# Altium PCB SensorControl_Board_v3.1.PcbDoc (part 1 of 2)
Units mm, origin at the board's own origin, x right, y up, seen from the top; angles counter-clockwise.
Board outline 75 x 62 mm, 4 copper layers (TOP, GND, PWR, BOT), stack 1.483 mm thick; 109 components, 86 nets, 400 pads, 254 vias.
Unrouted connection lines stored in the file: 2.
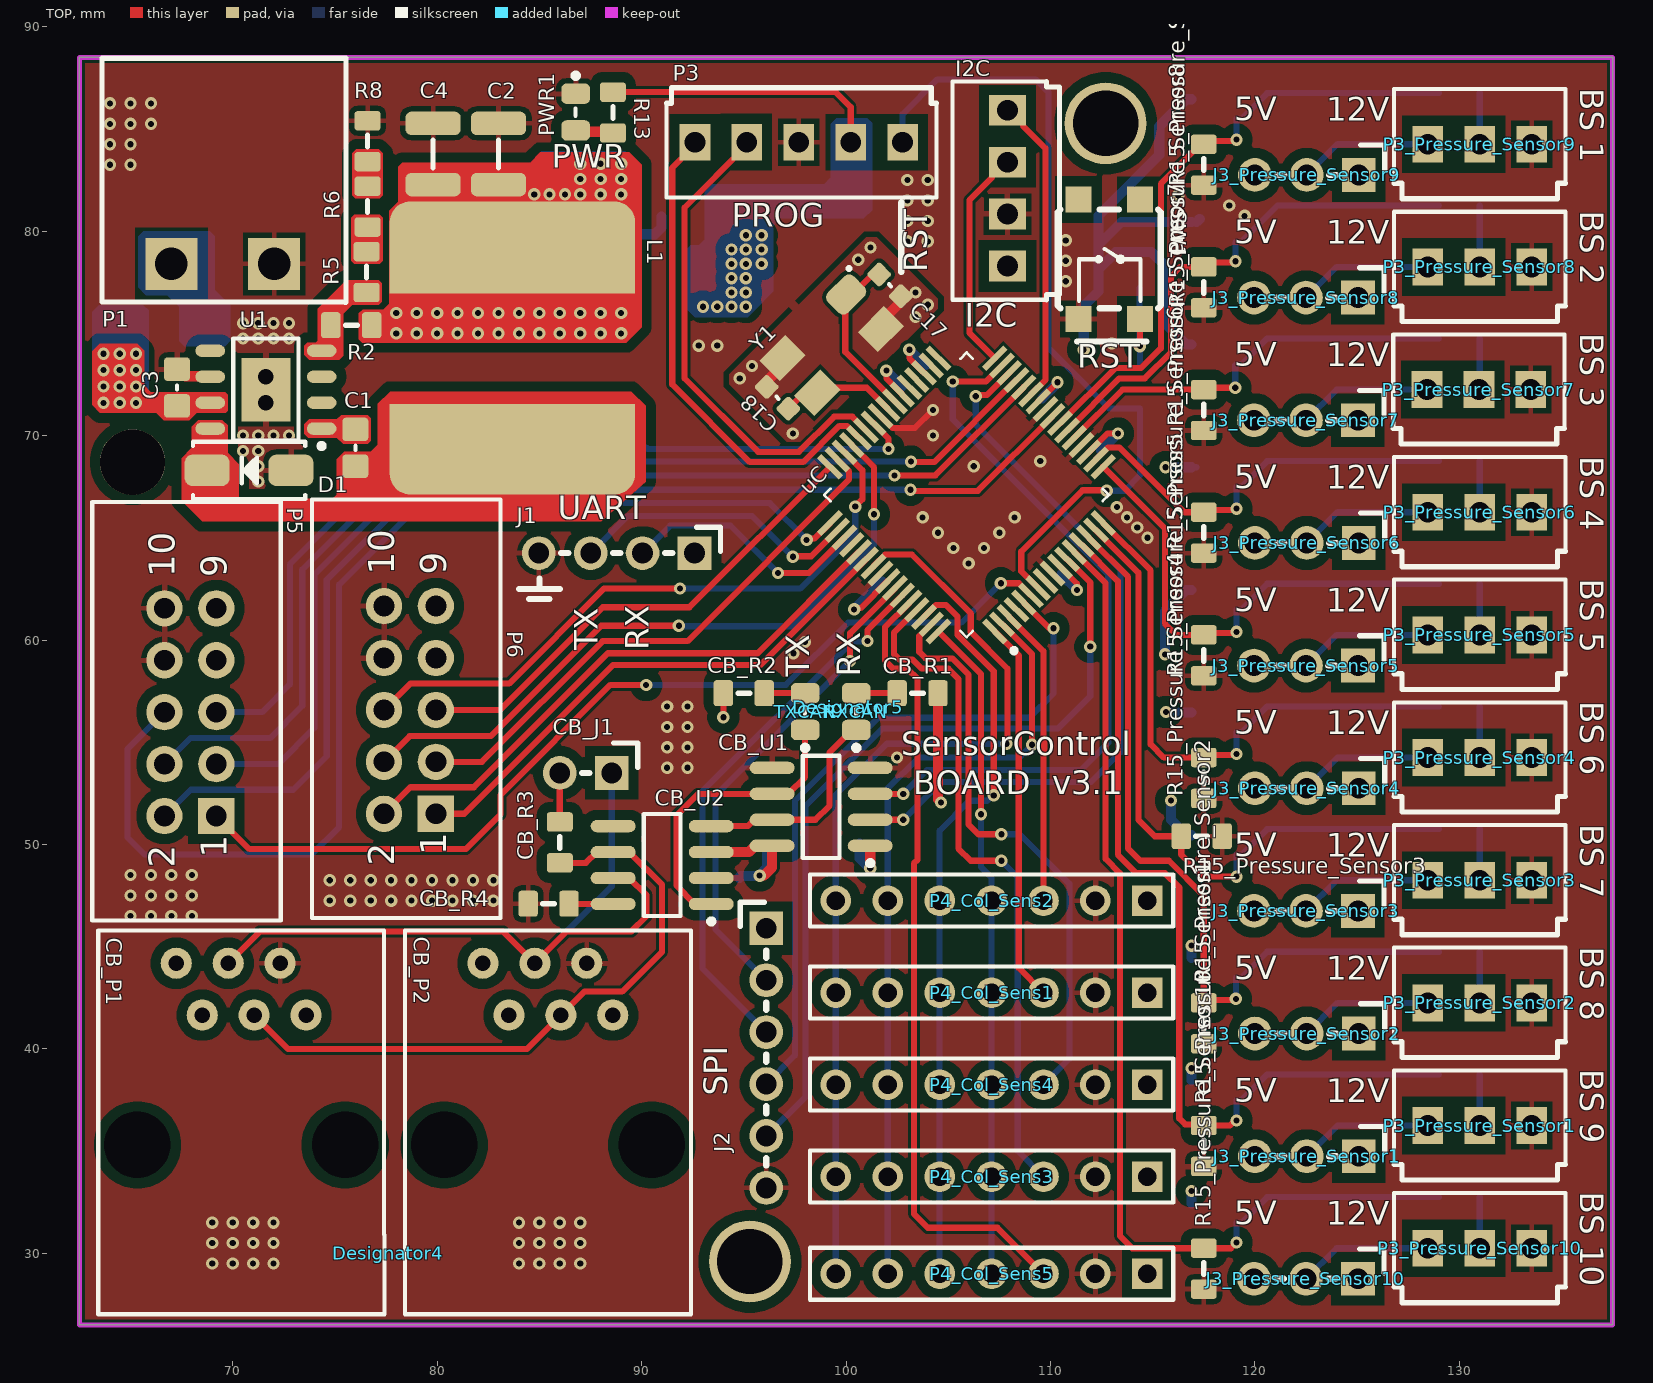
[diagram p0: TOP view]
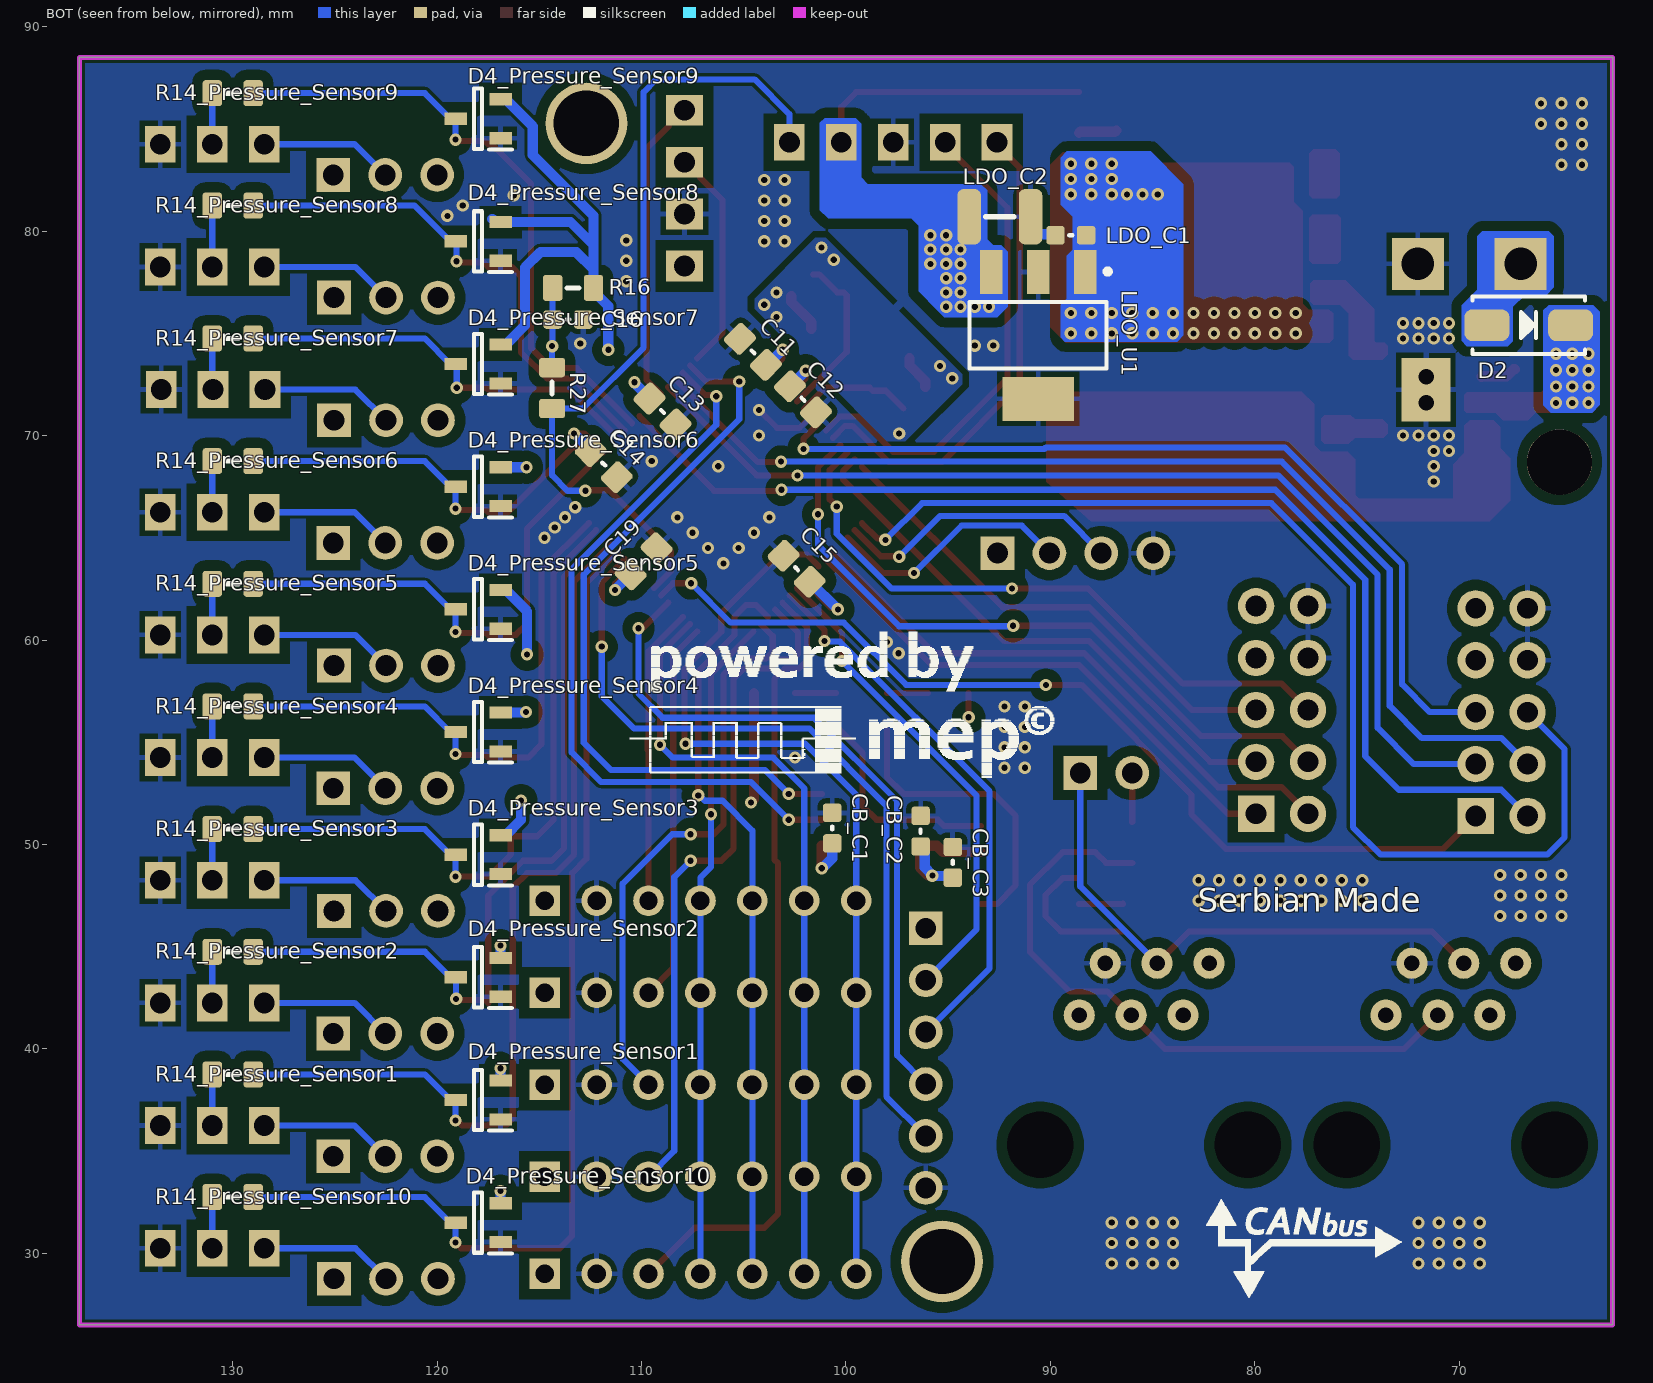
[diagram p1: BOT view, seen from below]
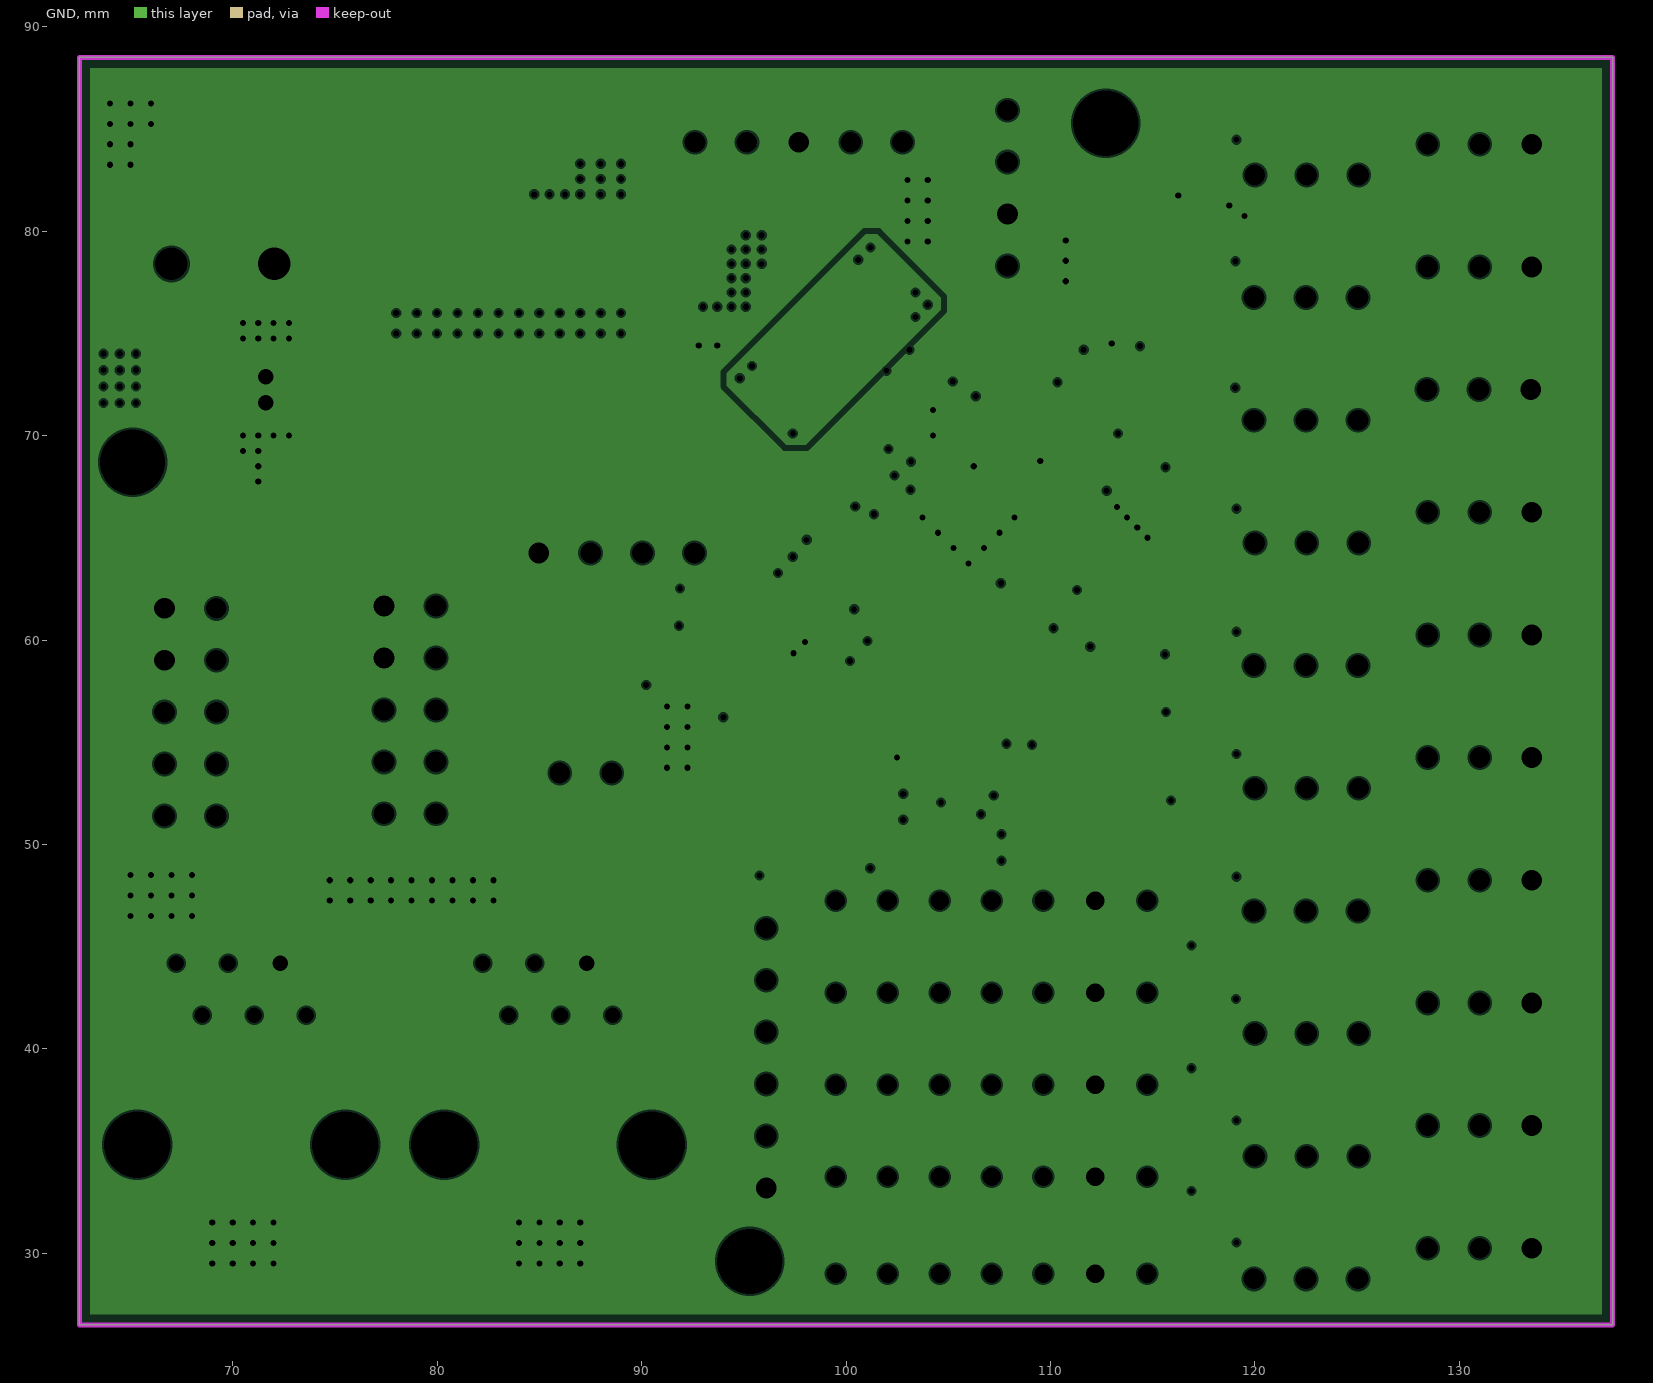
[diagram p2: GND, clearances drawn from the general rule]
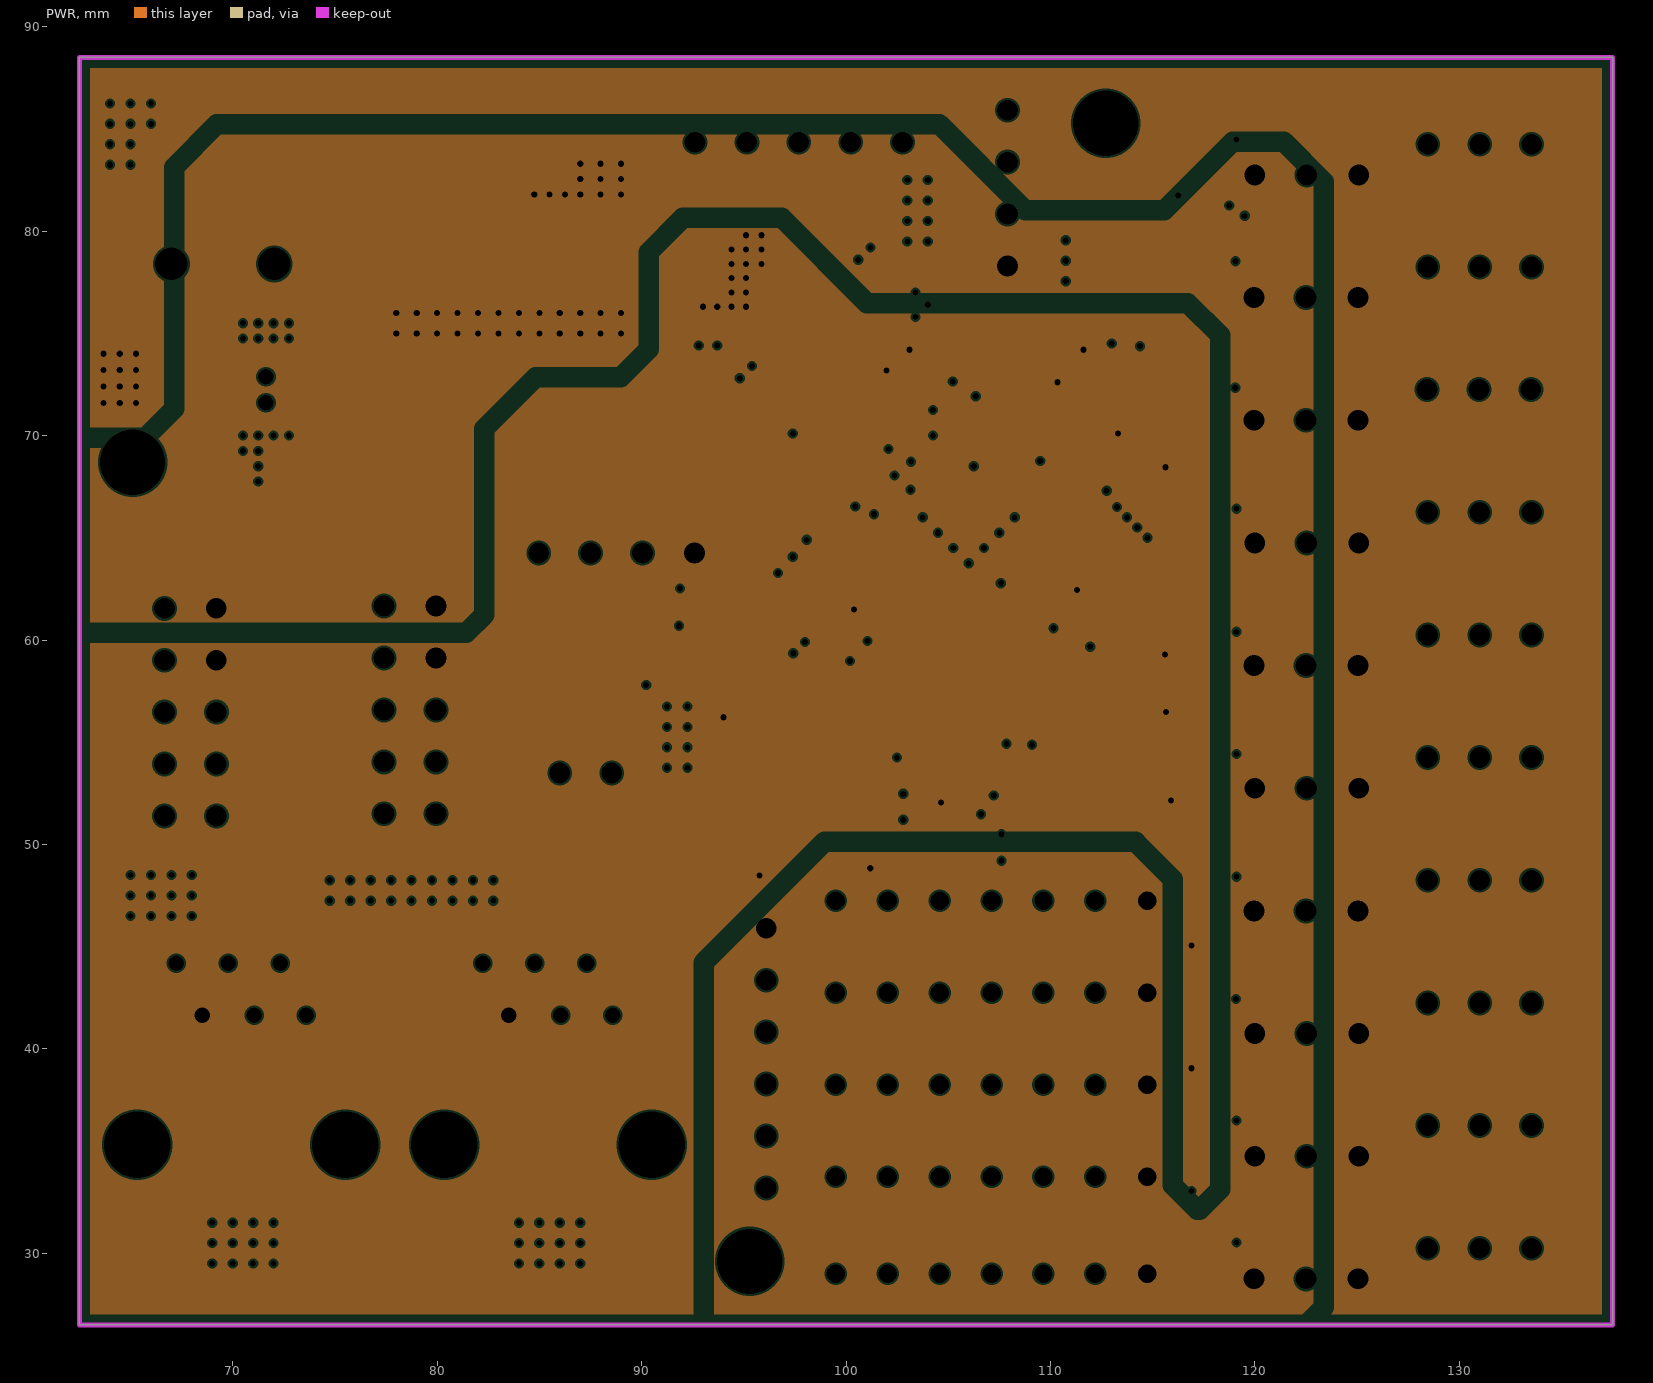
[diagram p3: PWR, clearances drawn from the general rule]

## Layer stack, top to bottom
Top Solder: solder mask 0.0102, Solder Resist, Dk 3.5
TOP: signal copper 0.0356
Dielectric 2: prepreg 0.0711, PP-006, Dk 4.29
GND: plane copper 0.035, net GND
Dielectric 1: dielectric 1.2, FR-4, Dk 4.8
PWR: plane copper 0.035, net (Multiple Nets)
Dielectric 3: prepreg 0.0711, PP-006, Dk 4.29
BOT: signal copper 0.0356
Bottom Solder: solder mask 0.0102, Solder Resist, Dk 3.5

## Board outline
62.5,26.5 62.5,88.5 137.5,88.5 137.5,26.5

## Design rules (kind name [scope] priority, off if disabled: settings)
Clearance Clearance_1 [InNamedPolygon('TOP_OSC_GND')] p1: gap=0.2 ignorepadtopadclearanceinfootprint=FALSE
Clearance TQFP-64-500um [OnTopLayer vs HasFootprint('TQFP-64-500um')] p2: gap=0.15 ignorepadtopadclearanceinfootprint=TRUE
Clearance [All] p3: gap=0.2 ignorepadtopadclearanceinfootprint=TRUE except(0.15: Arc-Track Arc-SMDPad Track-Track Track-SMDPad Track-THPad Track-Via Track-Fill Track-Poly Track-Region Track-Hole; 0.5: Arc-Poly SMDPad-Poly THPad-Poly Via-Poly Fill-Poly Poly-Poly Poly-Region)
HoleSize [All] p1: absolutevalues=TRUE maxlimit=6.3 minlimit=0.2 maxpercent=80.000 minpercent=20.000
MinimumSolderMaskSliver [All] p1: minsoldermaskwidth=0.025
PlaneClearance [All] p1: clearance=0.1
PlaneConnect [All] p1: planeconnectstyle=Direct reliefexpansion=0.508 reliefentries=4 reliefconductorwidth=0.254 reliefairgap=0.254
PolygonConnect PolygonConnect_1 [All vs IsNamedPolygon('TOP_OSC_GND')] p1: connectstyle=Direct reliefconductorwidth=0.254 reliefentries=4 polygonreliefangle="90 Angle" airgapwidth=0.254
PolygonConnect [All] p2: thpad.connectstyle=Relief thpad.reliefconductorwidth=0.254 thpad.reliefentries=4 thpad.polygonreliefangle="90 Angle" thpad.airgapwidth=0.254 smdpad.connectstyle=Relief smdpad.reliefconductorwidth=0.254 smdpad.reliefentries=4 smdpad.polygonreliefangle="90 Angle" smdpad.airgapwidth=0.254 via.connectstyle=Direct via.reliefconductorwidth=0.254 via.reliefentries=4 via.polygonreliefangle="90 Angle" via.airgapwidth=0.254
RoutingVias [All] p1: holewidth=0.711 width=1.27 viastyle="Through Hole" minholewidth=0.711 minwidth=1.27 maxholewidth=0.711 maxwidth=1.27
SilkToSilkClearance [All] p1: silktosilkclearance=0.01
SilkToSolderMaskClearance [IsPad] p1: minsilkscreentomaskgap=0.025 clearancetoexposedcopper=TRUE
SolderMaskExpansion [All] p1: expansion=0.102 istentingtop=FALSE
Width [All] p1: maxlimit=0.5 minlimit=0.2 preferedwidth=0.3
24 further rules are at their usual default settings.

## Classes and differential pairs
component class 3v3_PowerSupply: LDO_C1 LDO_C2 LDO_U1 U3
component class 5V_PowerSupply: C1 C2 C3 C4 D1 D2 L1 P1 R2 R5 R6 R8 U1
component class CANbus: CB_C1 CB_C2 CB_C3 CB_J1 CB_P1 CB_P2 CB_R1 CB_R2 CB_R3 CB_R4 CB_U1 CB_U2 RXCAN TXCAN
component class Col_Sens1: P4_Col_Sens1
component class Col_Sens3: P4_Col_Sens3
component class Col_Sens4: P4_Col_Sens4
component class Col_Sens5: P4_Col_Sens5
component class Oscillator: C17 C18 Y1
component class Pressure_Sensor1: D4_Pressure_Sensor1 J3_Pressure_Sensor1 P3_Pressure_Sensor1 R14_Pressure_Sensor1 R15_Pressure_Sensor1
component class Pressure_Sensor2: D4_Pressure_Sensor2 J3_Pressure_Sensor2 P3_Pressure_Sensor2 R14_Pressure_Sensor2 R15_Pressure_Sensor2
component class Pressure_Sensor3: D4_Pressure_Sensor3 J3_Pressure_Sensor3 P3_Pressure_Sensor3 R14_Pressure_Sensor3 R15_Pressure_Sensor3
component class Pressure_Sensor4: D4_Pressure_Sensor4 J3_Pressure_Sensor4 P3_Pressure_Sensor4 R14_Pressure_Sensor4 R15_Pressure_Sensor4
component class Pressure_Sensor5: D4_Pressure_Sensor5 J3_Pressure_Sensor5 P3_Pressure_Sensor5 R14_Pressure_Sensor5 R15_Pressure_Sensor5
component class Pressure_Sensor6: D4_Pressure_Sensor6 J3_Pressure_Sensor6 P3_Pressure_Sensor6 R14_Pressure_Sensor6 R15_Pressure_Sensor6
component class Pressure_Sensor7: D4_Pressure_Sensor7 J3_Pressure_Sensor7 P3_Pressure_Sensor7 R14_Pressure_Sensor7 R15_Pressure_Sensor7
component class Pressure_Sensor8: D4_Pressure_Sensor8 J3_Pressure_Sensor8 P3_Pressure_Sensor8 R14_Pressure_Sensor8 R15_Pressure_Sensor8
component class Pressure_Sensor9: D4_Pressure_Sensor9 J3_Pressure_Sensor9 P3_Pressure_Sensor9 R14_Pressure_Sensor9 R15_Pressure_Sensor9
component class Pressure_Sensor10: D4_Pressure_Sensor10 J3_Pressure_Sensor10 P3_Pressure_Sensor10 R14_Pressure_Sensor10 R15_Pressure_Sensor10
component class RESET: C16 R16 R27 SW1
component class SensorControl_Board_v3.1: PWR1 R13
component class U_Communication: I2C J1 J2
component class U_PIC32MK: C11 C12 C13 C14 C15 C19 P3 P5 P6 uC
net class PS[1..10]: PS1 PS2 PS3 PS4 PS5 PS6 PS7 PS8 PS9 PS10
net class TCK[1..5]: TCK1 TCK2 TCK3 TCK4 TCK5
channel class Color_Sensor: Col_Sens1 Col_Sens2 Col_Sens3 Col_Sens4 Col_Sens5 Col_Sens6 Col_Sens7 Col_Sens8 Col_Sens9
channel class Pressure_Sensor: Pressure_Sensor1 Pressure_Sensor2 Pressure_Sensor3 Pressure_Sensor4 Pressure_Sensor5 Pressure_Sensor6 Pressure_Sensor7 Pressure_Sensor8 Pressure_Sensor9 Pressure_Sensor10
